# EAGLE board Mk4 Final Panel 8up 2x4 (EAGLE 9.0.1), part 10 of 23
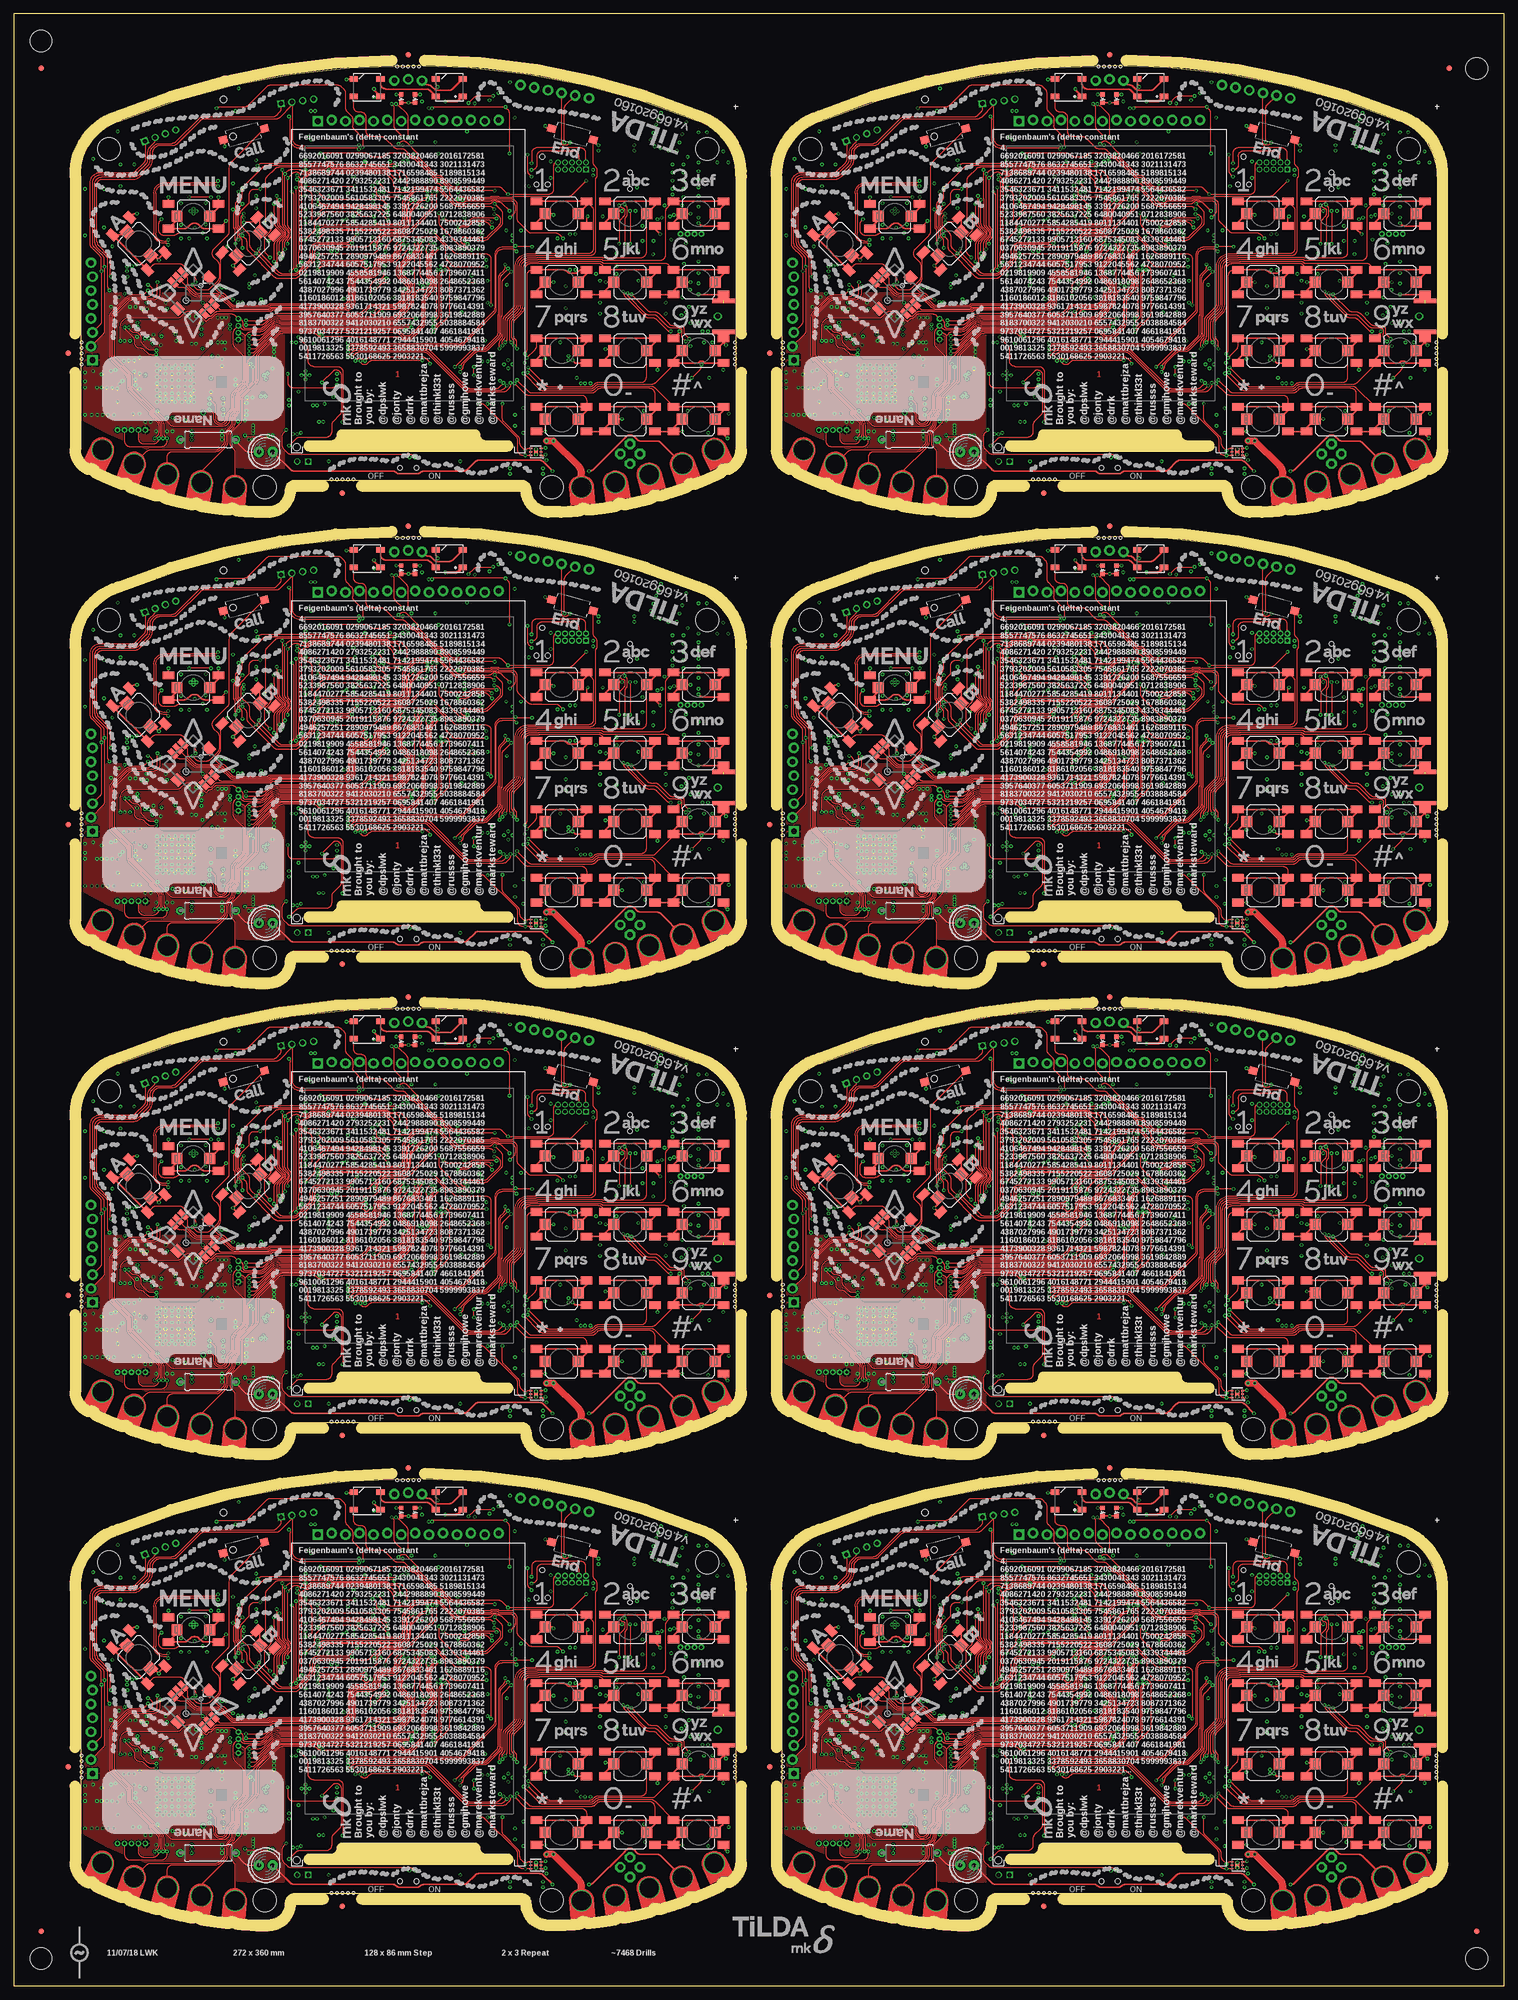
[diagram p0: board, top side]
## Tracks (layer width: path | path; a pad name or v marks a point on that pad's centre or on a via) (continued)
DCDC_PA_SW_N3 (continued)
  Bottom 0.25: IC65.41 157.75,126.29 arc-45 158.04,126.99 158.75,127.7
  Bottom 0.3: 158.75,127.7 158.75,127.76 159,128.01 159,130 159.1,130.1
  Bottom 0.5: 159.1,130.1 159.1,131.59 arc45 158.95,131.95 158.3,132.6 L35.1
DCDC_PA_SW_N4
  Bottom 0.25: IC83.41 29.75,212.29 arc-45 30.04,212.99 30.75,213.7
  Bottom 0.3: 30.75,213.7 30.75,213.76 31,214.01 31,216 31.1,216.1
  Bottom 0.5: 31.1,216.1 31.1,217.59 arc45 30.95,217.95 30.3,218.6 L44.1
DCDC_PA_SW_N5
  Bottom 0.25: IC101.41 157.75,212.29 arc-45 158.04,212.99 158.75,213.7
  Bottom 0.3: 158.75,213.7 158.75,213.76 159,214.01 159,216 159.1,216.1
  Bottom 0.5: 159.1,216.1 159.1,217.59 arc45 158.95,217.95 158.3,218.6 L53.1
DCDC_PA_SW_N6
  Bottom 0.25: IC119.41 29.75,298.29 arc-45 30.04,298.99 30.75,299.7
  Bottom 0.3: 30.75,299.7 30.75,299.76 31,300.01 31,302 31.1,302.1
  Bottom 0.5: 31.1,302.1 31.1,303.59 arc45 30.95,303.95 30.3,304.6 L62.1
DCDC_PA_SW_N7
  Bottom 0.25: IC137.41 157.75,298.29 arc-45 158.04,298.99 158.75,299.7
  Bottom 0.3: 158.75,299.7 158.75,299.76 159,300.01 159,302 159.1,302.1
  Bottom 0.5: 159.1,302.1 159.1,303.59 arc45 158.95,303.95 158.3,304.6 L71.1
DCDC_PA_SW_P
  Bottom 0.25: IC15.40 29.25,40.55 arc-45 29.54,41.26 30.25,41.97 30.45,42.17
  Bottom 0.4: L8.2 30.45,44.4 30.45,42.17
DCDC_PA_SW_P1
  Bottom 0.25: IC29.40 157.25,40.55 arc-45 157.54,41.26 158.45,42.17
  Bottom 0.4: L17.2 158.45,44.4 158.45,42.17
DCDC_PA_SW_P2
  Bottom 0.25: IC47.40 29.25,126.55 arc-45 29.54,127.26 30.45,128.17
  Bottom 0.4: L26.2 30.45,130.4 30.45,128.17
DCDC_PA_SW_P3
  Bottom 0.25: IC65.40 157.25,126.55 arc-45 157.54,127.26 158.45,128.17
  Bottom 0.4: L35.2 158.45,130.4 158.45,128.17
DCDC_PA_SW_P4
  Bottom 0.25: IC83.40 29.25,212.55 arc-45 29.54,213.26 30.45,214.17
  Bottom 0.4: L44.2 30.45,216.4 30.45,214.17
DCDC_PA_SW_P5
  Bottom 0.25: IC101.40 157.25,212.55 arc-45 157.54,213.26 158.45,214.17
  Bottom 0.4: L53.2 158.45,216.4 158.45,214.17
DCDC_PA_SW_P6
  Bottom 0.25: IC119.40 29.25,298.55 arc-45 29.54,299.26 30.45,300.17
  Bottom 0.4: L62.2 30.45,302.4 30.45,300.17
DCDC_PA_SW_P7
  Bottom 0.25: IC137.40 157.25,298.55 arc-45 157.54,299.26 158.45,300.17
  Bottom 0.4: L71.2 158.45,302.4 158.45,300.17
EN0RXI_N
  Bottom 0.22: IC1.53 63.41,66.8 63.4,66.81 61.1,66.81 arc-90 58.81,69.1 58.81,69.3 58.81,76.8 arc-90 62.2,80.19 68.3,80.19 arc90 69.22,81.1 69.22,81.6 JP7.6
EN0RXI_N1
  Bottom 0.22: IC20.53 191.42,66.8 191.4,66.81 189.1,66.81 arc-90 186.81,69.1 186.81,76.8 arc-90 190.2,80.19 196.3,80.19 arc90 197.22,81.1 197.22,81.6 JP12.6
EN0RXI_N2
  Bottom 0.22: IC38.53 63.41,152.8 63.4,152.81 61.1,152.81 arc-90 58.81,155.1 58.81,162.8 arc-90 62.2,166.19 68.3,166.19 arc90 69.22,167.1 69.22,167.6 JP21.6
EN0RXI_N3
  Bottom 0.22: IC56.53 191.42,152.8 191.4,152.81 189.1,152.81 arc-90 186.81,155.1 186.81,162.8 arc-90 190.2,166.19 196.3,166.19 arc90 197.22,167.1 197.22,167.6 JP30.6
EN0RXI_N4
  Bottom 0.22: IC74.53 63.41,238.8 63.4,238.81 61.1,238.81 arc-90 58.81,241.1 58.81,248.8 arc-90 62.2,252.19 68.3,252.19 arc90 69.22,253.1 69.22,253.6 JP39.6
EN0RXI_N5
  Bottom 0.22: IC92.53 191.42,238.8 191.4,238.81 189.1,238.81 arc-90 186.81,241.1 186.81,248.8 arc-90 190.2,252.19 196.3,252.19 arc90 197.22,253.1 197.22,253.6 JP48.6
EN0RXI_N6
  Bottom 0.22: IC110.53 63.41,324.8 63.4,324.81 61.1,324.81 arc-90 58.81,327.1 58.81,334.8 arc-90 62.2,338.19 68.3,338.19 arc90 69.22,339.1 69.22,339.6 JP57.6
EN0RXI_N7
  Bottom 0.22: IC128.53 191.42,324.8 191.4,324.81 189.1,324.81 arc-90 186.81,327.1 186.81,334.8 arc-90 190.2,338.19 196.3,338.19 arc90 197.22,339.1 197.22,339.6 JP66.6
EN0RXI_P
  Bottom 0.22: IC1.54 63.41,67.2 63.4,67.19 61.1,67.19 arc-90 59.19,69.1 59.19,69.28 59.19,69.3 59.19,76.8 arc-90 62.2,79.81 68.3,79.81 arc90 69.58,81.1 69.58,81.23 JP7.7
EN0RXI_P1
  Bottom 0.22: IC20.54 191.42,67.2 191.4,67.19 189.1,67.19 arc-90 187.19,69.1 187.19,76.8 arc-90 190.2,79.81 196.3,79.81 arc90 197.58,81.1 197.58,81.23 JP12.7
EN0RXI_P2
  Bottom 0.22: IC38.54 63.41,153.2 63.4,153.19 61.1,153.19 arc-90 59.19,155.1 59.19,162.8 arc-90 62.2,165.81 68.3,165.81 arc90 69.58,167.1 69.58,167.23 JP21.7
EN0RXI_P3
  Bottom 0.22: IC56.54 191.42,153.2 191.4,153.19 189.1,153.19 arc-90 187.19,155.1 187.19,162.8 arc-90 190.2,165.81 196.3,165.81 arc90 197.58,167.1 197.58,167.23 JP30.7
EN0RXI_P4
  Bottom 0.22: IC74.54 63.41,239.2 63.4,239.19 61.1,239.19 arc-90 59.19,241.1 59.19,248.8 arc-90 62.2,251.81 68.3,251.81 arc90 69.58,253.1 69.58,253.23 JP39.7
EN0RXI_P5
  Bottom 0.22: IC92.54 191.42,239.2 191.4,239.19 189.1,239.19 arc-90 187.19,241.1 187.19,248.8 arc-90 190.2,251.81 196.3,251.81 arc90 197.58,253.1 197.58,253.23 JP48.7
EN0RXI_P6
  Bottom 0.22: IC110.54 63.41,325.2 63.4,325.19 61.1,325.19 arc-90 59.19,327.1 59.19,334.8 arc-90 62.2,337.81 68.3,337.81 arc90 69.58,339.1 69.58,339.23 JP57.7
EN0RXI_P7
  Bottom 0.22: IC128.54 191.42,325.2 191.4,325.19 189.1,325.19 arc-90 187.19,327.1 187.19,334.8 arc-90 190.2,337.81 196.3,337.81 arc90 197.58,339.1 197.58,339.23 JP66.7
EN0TXO_N
  Bottom 0.22: IC1.56 63.41,68 63.4,68.02 61.25,68.02 arc-90 59.87,69.4 59.87,76.45 arc-90 62.6,79.19 68.61,79.19 arc45 69.32,79.48 70.53,80.69 arc-45 71.24,80.98 78.36,80.98 arc-45 79.07,80.69 80.03,79.73 arc45 80.74,79.44 83.15,79.44 arc90 84.52,80.8 84.52,81.54 JP7.12
EN0TXO_N1
  Bottom 0.22: IC20.56 191.42,68 191.4,68.02 189.25,68.02 arc-90 187.87,69.4 187.87,76.45 arc-90 190.6,79.19 196.61,79.19 arc45 197.32,79.48 198.53,80.69 arc-45 199.24,80.98 206.36,80.98 arc-45 207.07,80.69 208.03,79.73 arc45 208.74,79.44 211.15,79.44 arc90 212.51,80.8 212.51,81.54 JP12.12
EN0TXO_N2
  Bottom 0.22: IC38.56 63.41,154 63.4,154.01 61.25,154.01 arc-90 59.87,155.4 59.87,162.45 arc-90 62.6,165.19 68.61,165.19 arc45 69.32,165.48 70.53,166.69 arc-45 71.24,166.99 78.36,166.99 arc-45 79.07,166.69 80.03,165.73 arc45 80.74,165.44 83.15,165.44 arc90 84.52,166.8 84.52,167.54 JP21.12
EN0TXO_N3
  Bottom 0.22: IC56.56 191.42,154 191.4,154.01 189.25,154.01 arc-90 187.87,155.4 187.87,162.45 arc-90 190.6,165.19 196.61,165.19 arc45 197.32,165.48 198.53,166.69 arc-45 199.24,166.99 206.36,166.99 arc-45 207.07,166.69 208.03,165.73 arc45 208.74,165.44 211.15,165.44 arc90 212.51,166.8 212.51,167.54 JP30.12
EN0TXO_N4
  Bottom 0.22: IC74.56 63.41,240 63.4,240.01 61.25,240.01 arc-90 59.87,241.4 59.87,248.45 arc-90 62.6,251.19 68.61,251.19 arc45 69.32,251.48 70.53,252.69 arc-45 71.24,252.99 78.36,252.99 arc-45 79.07,252.69 80.03,251.73 arc45 80.74,251.44 83.15,251.44 arc90 84.52,252.8 84.52,253.54 JP39.12
EN0TXO_N5
  Bottom 0.22: IC92.56 191.42,240 191.4,240.01 189.25,240.01 arc-90 187.87,241.4 187.87,248.45 arc-90 190.6,251.19 196.61,251.19 arc45 197.32,251.48 198.53,252.69 arc-45 199.24,252.99 206.36,252.99 arc-45 207.07,252.69 208.03,251.73 arc45 208.74,251.44 211.15,251.44 arc90 212.51,252.8 212.51,253.54 JP48.12
EN0TXO_N6
  Bottom 0.22: IC110.56 63.41,326 63.4,326.01 61.25,326.01 arc-90 59.87,327.4 59.87,334.45 arc-90 62.6,337.19 68.61,337.19 arc45 69.32,337.48 70.53,338.69 arc-45 71.24,338.99 78.36,338.99 arc-45 79.07,338.69 80.03,337.73 arc45 80.74,337.44 83.15,337.44 arc90 84.52,338.8 84.52,339.54 JP57.12
EN0TXO_N7
  Bottom 0.22: IC128.56 191.42,326 191.4,326.01 189.25,326.01 arc-90 187.87,327.4 187.87,334.45 arc-90 190.6,337.19 196.61,337.19 arc45 197.32,337.48 198.53,338.69 arc-45 199.24,338.99 206.36,338.99 arc-45 207.07,338.69 208.03,337.73 arc45 208.74,337.44 211.15,337.44 arc90 212.51,338.8 212.51,339.54 JP66.12
EN0TXO_P
  Bottom 0.22: IC1.57 63.41,68.4 63.4,68.38 61.25,68.38 arc-90 60.23,69.4 60.23,69.9 60.23,70 60.23,70.08 60.23,76.45 arc-90 62.6,78.81 68.76,78.81 arc45 69.47,79.11 70.68,80.32 arc-45 71.39,80.61 78.21,80.61 arc-45 78.92,80.32 79.88,79.36 arc45 80.59,79.06 83.15,79.06 arc90 84.89,80.8 84.89,81.29 JP7.13
EN0TXO_P1
  Bottom 0.22: IC20.57 191.42,68.4 191.4,68.38 189.25,68.38 arc-90 188.24,69.4 188.24,76.45 arc-90 190.6,78.81 196.76,78.81 arc45 197.47,79.11 198.68,80.32 arc-45 199.39,80.61 206.21,80.61 arc-45 206.92,80.32 207.88,79.36 arc45 208.59,79.06 211.15,79.06 arc90 212.88,80.8 212.88,81.29 JP12.13
EN0TXO_P2
  Bottom 0.22: IC38.57 63.41,154.4 63.4,154.38 61.25,154.38 arc-90 60.23,155.4 60.23,162.45 arc-90 62.6,164.81 68.76,164.81 arc45 69.47,165.11 70.68,166.32 arc-45 71.39,166.62 78.21,166.62 arc-45 78.92,166.32 79.88,165.36 arc45 80.59,165.06 83.15,165.06 arc90 84.89,166.8 84.89,167.29 JP21.13
EN0TXO_P3
  Bottom 0.22: IC56.57 191.42,154.4 191.4,154.38 189.25,154.38 arc-90 188.24,155.4 188.24,162.45 arc-90 190.6,164.81 196.76,164.81 arc45 197.47,165.11 198.68,166.32 arc-45 199.39,166.62 206.21,166.62 arc-45 206.92,166.32 207.88,165.36 arc45 208.59,165.06 211.15,165.06 arc90 212.88,166.8 212.88,167.29 JP30.13
EN0TXO_P4
  Bottom 0.22: IC74.57 63.41,240.4 63.4,240.38 61.25,240.38 arc-90 60.23,241.4 60.23,248.45 arc-90 62.6,250.81 68.76,250.81 arc45 69.47,251.11 70.68,252.32 arc-45 71.39,252.62 78.21,252.62 arc-45 78.92,252.32 79.88,251.36 arc45 80.59,251.06 83.15,251.06 arc90 84.89,252.8 84.89,253.29 JP39.13
EN0TXO_P5
  Bottom 0.22: IC92.57 191.42,240.4 191.4,240.38 189.25,240.38 arc-90 188.24,241.4 188.24,248.45 arc-90 190.6,250.81 196.76,250.81 arc45 197.47,251.11 198.68,252.32 arc-45 199.39,252.62 206.21,252.62 arc-45 206.92,252.32 207.88,251.36 arc45 208.59,251.06 211.15,251.06 arc90 212.88,252.8 212.88,253.29 JP48.13
EN0TXO_P6
  Bottom 0.22: IC110.57 63.41,326.4 63.4,326.38 61.25,326.38 arc-90 60.23,327.4 60.23,334.45 arc-90 62.6,336.81 68.76,336.81 arc45 69.47,337.11 70.68,338.32 arc-45 71.39,338.62 78.21,338.62 arc-45 78.92,338.32 79.88,337.36 arc45 80.59,337.06 83.15,337.06 arc90 84.89,338.8 84.89,339.29 JP57.13
EN0TXO_P7
  Bottom 0.22: IC128.57 191.42,326.4 191.4,326.38 189.25,326.38 arc-90 188.24,327.4 188.24,334.45 arc-90 190.6,336.81 196.76,336.81 arc45 197.47,337.11 198.68,338.32 arc-45 199.39,338.62 206.21,338.62 arc-45 206.92,338.32 207.88,337.36 arc45 208.59,337.06 211.15,337.06 arc90 212.88,338.8 212.88,339.29 JP66.13
ETHLED0
  Bottom 0.15: R1.2 56.5,78.51 arc45 56.79,77.81 57.51,77.09 arc-45 57.8,76.39 57.8,73.94 57.89,73.85 arc-90 57.89,73.15 57.8,73.06 57.8,69.19 57.89,69.1 arc-90 57.89,68.4 57.8,68.31 57.8,66.11 arc45 58.09,65.41 58.61,64.89 arc-45 58.9,64.19 58.9,63.4 arc90 59.9,62.4 IC1.42
ETHLED0_R
  Bottom 0.15: R1.1 arc-90 57.5,81 59.09,81 arc45 59.79,81.29 60.57,82.07 JP7.3
ETHLED0_R1
  Bottom 0.15: R85.1 arc-90 185.5,81 187.09,81 arc45 187.79,81.29 188.57,82.07 JP12.3
ETHLED0_R2
  Bottom 0.15: R163.1 arc-90 57.5,167 59.09,167 arc45 59.79,167.29 60.57,168.07 JP21.3
ETHLED0_R3
  Bottom 0.15: R241.1 arc-90 185.5,167 187.09,167 arc45 187.79,167.29 188.57,168.07 JP30.3
ETHLED0_R4
  Bottom 0.15: R319.1 arc-90 57.5,253 59.09,253 arc45 59.79,253.29 60.57,254.07 JP39.3
ETHLED0_R5
  Bottom 0.15: R397.1 arc-90 185.5,253 187.09,253 arc45 187.79,253.29 188.57,254.07 JP48.3
ETHLED0_R6
  Bottom 0.15: R475.1 arc-90 57.5,339 59.09,339 arc45 59.79,339.29 60.57,340.07 JP57.3
ETHLED0_R7
  Bottom 0.15: R553.1 arc-90 185.5,339 187.09,339 arc45 187.79,339.29 188.57,340.07 JP66.3
ETHLED1
  Bottom 0.15: R2.2 57.5,78.01 arc45 57.79,77.31 57.81,77.29 arc-45 58.1,76.59 58.1,74.07 58.14,74.03 arc-90 58.14,72.97 58.1,72.93 58.1,69.32 58.14,69.28 arc-90 58.14,68.22 58.1,68.18 58.1,66.31 arc45 58.39,65.61 59.01,64.99 arc-45 59.3,64.29 59.3,63.8 arc90 60.3,62.8 IC1.43
ETHLED1_R
  Bottom 0.15: R2.1 57.5,80.2 arc-90 58,80.7 59.42,80.7 arc45 59.77,80.85 59.78,80.85 arc-45 60.13,81 64.09,81 arc45 64.79,81.29 65.65,82.15 JP7.5
ETHLED1_R1
  Bottom 0.15: R86.1 185.5,80.2 arc-90 186,80.7 187.42,80.7 arc45 187.77,80.85 187.78,80.85 arc-45 188.13,81 192.09,81 arc45 192.79,81.29 193.65,82.15 JP12.5
ETHLED1_R2
  Bottom 0.15: R164.1 57.5,166.2 arc-90 58,166.7 59.42,166.7 arc45 59.77,166.85 59.78,166.85 arc-45 60.13,167 64.09,167 arc45 64.79,167.29 65.65,168.15 JP21.5
ETHLED1_R3
  Bottom 0.15: R242.1 185.5,166.2 arc-90 186,166.7 187.42,166.7 arc45 187.77,166.85 187.78,166.85 arc-45 188.13,167 192.09,167 arc45 192.79,167.29 193.65,168.15 JP30.5
ETHLED1_R4
  Bottom 0.15: R320.1 57.5,252.2 arc-90 58,252.7 59.42,252.7 arc45 59.77,252.85 59.78,252.85 arc-45 60.13,253 64.09,253 arc45 64.79,253.29 65.65,254.15 JP39.5
ETHLED1_R5
  Bottom 0.15: R398.1 185.5,252.2 arc-90 186,252.7 187.42,252.7 arc45 187.77,252.85 187.78,252.85 arc-45 188.13,253 192.09,253 arc45 192.79,253.29 193.65,254.15 JP48.5
ETHLED1_R6
  Bottom 0.15: R476.1 57.5,338.2 arc-90 58,338.7 59.42,338.7 arc45 59.77,338.85 59.78,338.85 arc-45 60.13,339 64.09,339 arc45 64.79,339.29 65.65,340.15 JP57.5
ETHLED1_R7
  Bottom 0.15: R554.1 185.5,338.2 arc-90 186,338.7 187.42,338.7 arc45 187.77,338.85 187.78,338.85 arc-45 188.13,339 192.09,339 arc45 192.79,339.29 193.65,340.15 JP66.5
ETHLED2
  Bottom 0.15: R85.2 184.5,78.51 arc45 184.79,77.81 185.51,77.09 arc-45 185.8,76.39 185.8,73.94 185.89,73.85 arc-90 185.89,73.15 185.8,73.06 185.8,69.19 185.89,69.1 arc-90 185.89,68.4 185.8,68.31 185.8,66.11 arc45 186.09,65.41 186.61,64.89 arc-45 186.9,64.19 186.9,63.4 arc90 187.9,62.4 IC20.42
ETHLED3
  Bottom 0.15: R86.2 185.5,78.01 arc45 185.79,77.31 185.81,77.29 arc-45 186.1,76.59 186.1,74.07 186.14,74.03 arc-90 186.14,72.97 186.1,72.93 186.1,69.32 186.14,69.28 arc-90 186.14,68.22 186.1,68.18 186.1,66.31 arc45 186.39,65.61 187.01,64.99 arc-45 187.3,64.29 187.3,63.8 arc90 188.3,62.8 IC20.43
ETHLED4
  Bottom 0.15: R163.2 56.5,164.51 arc45 56.79,163.81 57.51,163.09 arc-45 57.8,162.39 57.8,159.94 57.89,159.85 arc-90 57.89,159.15 57.8,159.06 57.8,155.19 57.89,155.1 arc-90 57.89,154.4 57.8,154.31 57.8,152.11 arc45 58.09,151.41 58.61,150.89 arc-45 58.9,150.19 58.9,149.4 arc90 59.9,148.4 IC38.42
ETHLED5
  Bottom 0.15: R164.2 57.5,164.01 arc45 57.79,163.31 57.81,163.29 arc-45 58.1,162.59 58.1,160.07 58.14,160.03 arc-90 58.14,158.97 58.1,158.93 58.1,155.32 58.14,155.28 arc-90 58.14,154.22 58.1,154.18 58.1,152.31 arc45 58.39,151.61 59.01,150.99 arc-45 59.3,150.29 59.3,149.8 arc90 60.3,148.8 IC38.43
ETHLED6
  Bottom 0.15: R241.2 184.5,164.51 arc45 184.79,163.81 185.51,163.09 arc-45 185.8,162.39 185.8,159.94 185.89,159.85 arc-90 185.89,159.15 185.8,159.06 185.8,155.19 185.89,155.1 arc-90 185.89,154.4 185.8,154.31 185.8,152.11 arc45 186.09,151.41 186.61,150.89 arc-45 186.9,150.19 186.9,149.4 arc90 187.9,148.4 IC56.42
ETHLED7
  Bottom 0.15: R242.2 185.5,164.01 arc45 185.79,163.31 185.81,163.29 arc-45 186.1,162.59 186.1,160.07 186.14,160.03 arc-90 186.14,158.97 186.1,158.93 186.1,155.32 186.14,155.28 arc-90 186.14,154.22 186.1,154.18 186.1,152.31 arc45 186.39,151.61 187.01,150.99 arc-45 187.3,150.29 187.3,149.8 arc90 188.3,148.8 IC56.43
ETHLED8
  Bottom 0.15: R319.2 56.5,250.51 arc45 56.79,249.81 57.51,249.09 arc-45 57.8,248.39 57.8,245.94 57.89,245.85 arc-90 57.89,245.15 57.8,245.06 57.8,241.19 57.89,241.1 arc-90 57.89,240.4 57.8,240.31 57.8,238.11 arc45 58.09,237.41 58.61,236.89 arc-45 58.9,236.19 58.9,235.4 arc90 59.9,234.4 IC74.42
ETHLED9
  Bottom 0.15: R320.2 57.5,250.01 arc45 57.79,249.31 57.81,249.29 arc-45 58.1,248.59 58.1,246.07 58.14,246.03 arc-90 58.14,244.97 58.1,244.93 58.1,241.32 58.14,241.28 arc-90 58.14,240.22 58.1,240.18 58.1,238.31 arc45 58.39,237.61 59.01,236.99 arc-45 59.3,236.29 59.3,235.8 arc90 60.3,234.8 IC74.43
ETHLED10
  Bottom 0.15: R397.2 184.5,250.51 arc45 184.79,249.81 185.51,249.09 arc-45 185.8,248.39 185.8,245.94 185.89,245.85 arc-90 185.89,245.15 185.8,245.06 185.8,241.19 185.89,241.1 arc-90 185.89,240.4 185.8,240.31 185.8,238.11 arc45 186.09,237.41 186.61,236.89 arc-45 186.9,236.19 186.9,235.4 arc90 187.9,234.4 IC92.42
ETHLED11
  Bottom 0.15: R398.2 185.5,250.01 arc45 185.79,249.31 185.81,249.29 arc-45 186.1,248.59 186.1,246.07 186.14,246.03 arc-90 186.14,244.97 186.1,244.93 186.1,241.32 186.14,241.28 arc-90 186.14,240.22 186.1,240.18 186.1,238.31 arc45 186.39,237.61 187.01,236.99 arc-45 187.3,236.29 187.3,235.8 arc90 188.3,234.8 IC92.43
ETHLED12
  Bottom 0.15: R475.2 56.5,336.51 arc45 56.79,335.81 57.51,335.09 arc-45 57.8,334.39 57.8,331.94 57.89,331.85 arc-90 57.89,331.15 57.8,331.06 57.8,327.19 57.89,327.1 arc-90 57.89,326.4 57.8,326.31 57.8,324.11 arc45 58.09,323.41 58.61,322.89 arc-45 58.9,322.19 58.9,321.4 arc90 59.9,320.4 IC110.42
ETHLED13
  Bottom 0.15: R476.2 57.5,336.01 arc45 57.79,335.31 57.81,335.29 arc-45 58.1,334.59 58.1,332.07 58.14,332.03 arc-90 58.14,330.97 58.1,330.93 58.1,327.32 58.14,327.28 arc-90 58.14,326.22 58.1,326.18 58.1,324.31 arc45 58.39,323.61 59.01,322.99 arc-45 59.3,322.29 59.3,321.8 arc90 60.3,320.8 IC110.43
ETHLED14
  Bottom 0.15: R553.2 184.5,336.51 arc45 184.79,335.81 185.51,335.09 arc-45 185.8,334.39 185.8,331.94 185.89,331.85 arc-90 185.89,331.15 185.8,331.06 185.8,327.19 185.89,327.1 arc-90 185.89,326.4 185.8,326.31 185.8,324.11 arc45 186.09,323.41 186.61,322.89 arc-45 186.9,322.19 186.9,321.4 arc90 187.9,320.4 IC128.42
ETHLED15
  Bottom 0.15: R554.2 185.5,336.01 arc45 185.79,335.31 185.81,335.29 arc-45 186.1,334.59 186.1,332.07 186.14,332.03 arc-90 186.14,330.97 186.1,330.93 186.1,327.32 186.14,327.28 arc-90 186.14,326.22 186.1,326.18 186.1,324.31 arc45 186.39,323.61 187.01,322.99 arc-45 187.3,322.29 187.3,321.8 arc90 188.3,320.8 IC128.43
FET
  Bottom 0.15: IC1.110 80.78,66 arc45 80.85,66.03 81.09,66.27 arc-45 81.17,66.3 83.58,66.3 arc-90 85.58,64.3 85.58,62.38 arc45 85.72,62.02 85.88,61.86 arc-45 86.03,61.51 86.03,61.25 arc45 86.32,60.54 95.23,51.63 arc-45 95.5,50.98 95.5,50
  Bottom 0.2: R59.1 115.41,25.25 arc-45 114.71,25.54 106.79,33.46 arc45 106.09,33.75 101.11,33.75 arc-45 100.41,34.04 95.79,38.66 arc-45 95.5,39.36 95.5,50
  Bottom 0.3: Q2.1 116.92,25.25 R59.1
FET1
  Bottom 0.15: IC20.110 208.78,66 arc45 208.85,66.03 209.09,66.27 arc-45 209.17,66.3 211.57,66.3 arc-90 213.57,64.3 213.57,62.38 arc45 213.72,62.02 213.88,61.86 arc-45 214.03,61.51 214.03,61.25 arc45 214.32,60.54 223.23,51.63 arc-45 223.5,50.98 223.5,50
  Bottom 0.2: R137.1 243.41,25.25 arc-45 242.71,25.54 234.79,33.46 arc45 234.09,33.75 229.11,33.75 arc-45 228.41,34.04 223.79,38.66 arc-45 223.5,39.36 223.5,50
  Bottom 0.3: Q5.1 244.93,25.25 R137.1
FET2
  Bottom 0.15: IC38.110 80.78,152 arc45 80.85,152.03 81.09,152.27 arc-45 81.17,152.3 83.58,152.3 arc-90 85.58,150.3 85.58,148.38 arc45 85.72,148.02 85.88,147.86 arc-45 86.03,147.51 86.03,147.25 arc45 86.32,146.54 95.23,137.63 arc-45 95.5,136.98 95.5,136
  Bottom 0.2: R215.1 115.41,111.25 arc-45 114.71,111.54 106.79,119.46 arc45 106.09,119.75 101.11,119.75 arc-45 100.41,120.04 95.79,124.66 arc-45 95.5,125.36 95.5,136
  Bottom 0.3: Q10.1 116.92,111.25 R215.1
FET3
  Bottom 0.15: IC56.110 208.78,152 arc45 208.85,152.03 209.09,152.27 arc-45 209.17,152.3 211.57,152.3 arc-90 213.57,150.3 213.57,148.38 arc45 213.72,148.02 213.88,147.86 arc-45 214.03,147.51 214.03,147.25 arc45 214.32,146.54 223.23,137.63 arc-45 223.5,136.98 223.5,136
  Bottom 0.2: R293.1 243.41,111.25 arc-45 242.71,111.54 234.79,119.46 arc45 234.09,119.75 229.11,119.75 arc-45 228.41,120.04 223.79,124.66 arc-45 223.5,125.36 223.5,136
  Bottom 0.3: Q14.1 244.93,111.25 R293.1
FET4
  Bottom 0.15: IC74.110 80.78,238 arc45 80.85,238.03 81.09,238.27 arc-45 81.17,238.3 83.58,238.3 arc-90 85.58,236.3 85.58,234.38 arc45 85.72,234.02 85.88,233.86 arc-45 86.03,233.51 86.03,233.25 arc45 86.32,232.54 95.23,223.63 arc-45 95.5,222.98 95.5,222
  Bottom 0.2: R371.1 115.41,197.25 arc-45 114.71,197.54 106.79,205.46 arc45 106.09,205.75 101.11,205.75 arc-45 100.41,206.04 95.79,210.66 arc-45 95.5,211.36 95.5,222
  Bottom 0.3: Q18.1 116.92,197.25 R371.1
FET5
  Bottom 0.15: IC92.110 208.78,238 arc45 208.85,238.03 209.09,238.27 arc-45 209.17,238.3 211.57,238.3 arc-90 213.57,236.3 213.57,234.38 arc45 213.72,234.02 213.88,233.86 arc-45 214.03,233.51 214.03,233.25 arc45 214.32,232.54 223.23,223.63 arc-45 223.5,222.98 223.5,222
  Bottom 0.2: R449.1 243.41,197.25 arc-45 242.71,197.54 234.79,205.46 arc45 234.09,205.75 229.11,205.75 arc-45 228.41,206.04 223.79,210.66 arc-45 223.5,211.36 223.5,222
  Bottom 0.3: Q22.1 244.93,197.25 R449.1
FET6
  Bottom 0.15: IC110.110 80.78,324 arc45 80.85,324.03 81.09,324.27 arc-45 81.17,324.3 83.58,324.3 arc-90 85.58,322.3 85.58,320.38 arc45 85.72,320.02 85.88,319.86 arc-45 86.03,319.51 86.03,319.25 arc45 86.32,318.54 95.23,309.63 arc-45 95.5,308.98 95.5,308
  Bottom 0.2: R527.1 115.41,283.25 arc-45 114.71,283.54 106.79,291.46 arc45 106.09,291.75 101.11,291.75 arc-45 100.41,292.04 95.79,296.66 arc-45 95.5,297.36 95.5,308
  Bottom 0.3: Q26.1 116.92,283.25 R527.1
FET7
  Bottom 0.15: IC128.110 208.78,324 arc45 208.85,324.03 209.09,324.27 arc-45 209.17,324.3 211.57,324.3 arc-90 213.57,322.3 213.57,320.38 arc45 213.72,320.02 213.88,319.86 arc-45 214.03,319.51 214.03,319.25 arc45 214.32,318.54 223.23,309.63 arc-45 223.5,308.98 223.5,308
  Bottom 0.2: R605.1 243.41,283.25 arc-45 242.71,283.54 234.79,291.46 arc45 234.09,291.75 229.11,291.75 arc-45 228.41,292.04 223.79,296.66 arc-45 223.5,297.36 223.5,308
  Bottom 0.3: Q30.1 244.93,283.25 R605.1
FET_OUT  (via drill 0.3)
  Top 0.25: LED5.K 50.45,18.82 arc45 51.16,18.52 69.11,18.52 arc-45 69.81,18.23 arc45 70.37,18 73.66,18 arc45 74.16,18.21 arc-45 74.87,18.5 82.09,18.5 arc45 82.79,18.79 84.21,20.21 arc-45 84.91,20.5 95.94,20.5 arc-45 96.64,20.21 v98.35,18.5 | v105,18.5 105.09,18.5 arc45 105.79,18.79 111.5,24.5 111.71,24.71 111.79,24.79 arc-90 113.21,24.79 113.71,24.29 arc45 114.41,24 117.4,24 arc-45 118.11,23.71 PCB.FET
  Bottom 0.25: v98.35,18.5 v105,18.5
  Bottom 0.4: Q2.3 118.92,23.3 arc45 119.22,22.59 120.91,20.91
  Bottom 0.5: 120.91,20.91 PCB.FET
FET_OUT1  (via drill 0.3)
  Top 0.25: LED11.K 178.45,18.82 arc45 179.16,18.52 197.11,18.52 arc-45 197.81,18.23 arc45 198.37,18 201.66,18 arc45 202.16,18.21 arc-45 202.87,18.5 210.09,18.5 arc45 210.79,18.79 212.21,20.21 arc-45 212.91,20.5 223.94,20.5 arc-45 224.64,20.21 v226.35,18.5 | v233,18.5 233.09,18.5 arc45 233.79,18.79 239.79,24.79 arc-90 241.21,24.79 241.71,24.29 arc45 242.41,24 245.4,24 arc-45 246.11,23.71 PCB1.FET
  Bottom 0.25: v226.35,18.5 v233,18.5
  Bottom 0.4: Q5.3 246.93,23.3 arc45 247.22,22.59 248.91,20.91
  Bottom 0.5: 248.91,20.91 PCB1.FET
FET_OUT2  (via drill 0.3)
  Top 0.25: LED17.K 50.45,104.82 arc45 51.16,104.53 69.11,104.53 arc-45 69.81,104.23 arc45 70.37,104 73.66,104 arc45 74.16,104.21 arc-45 74.87,104.5 82.09,104.5 arc45 82.79,104.79 84.21,106.21 arc-45 84.91,106.5 95.94,106.5 arc-45 96.64,106.21 v98.35,104.5 | v105,104.5 105.09,104.5 arc45 105.79,104.79 111.79,110.79 arc-90 113.21,110.79 113.71,110.29 arc45 114.41,110 117.4,110 arc-45 118.11,109.71 PCB2.FET
  Bottom 0.25: v98.35,104.5 v105,104.5
  Bottom 0.4: Q10.3 118.92,109.3 arc45 119.22,108.59 120.91,106.91
  Bottom 0.5: 120.91,106.91 PCB2.FET
FET_OUT3  (via drill 0.3)
  Top 0.25: LED23.K 178.45,104.82 arc45 179.16,104.53 197.11,104.53 arc-45 197.81,104.23 arc45 198.37,104 201.66,104 arc45 202.16,104.21 arc-45 202.87,104.5 210.09,104.5 arc45 210.79,104.79 212.21,106.21 arc-45 212.91,106.5 223.94,106.5 arc-45 224.64,106.21 v226.35,104.5 | v233,104.5 233.09,104.5 arc45 233.79,104.79 239.79,110.79 arc-90 241.21,110.79 241.71,110.29 arc45 242.41,110 245.4,110 arc-45 246.11,109.71 PCB3.FET
  Bottom 0.25: v226.35,104.5 v233,104.5
  Bottom 0.4: Q14.3 246.93,109.3 arc45 247.22,108.59 248.91,106.91
  Bottom 0.5: 248.91,106.91 PCB3.FET
FET_OUT4  (via drill 0.3)
  Top 0.25: LED29.K 50.45,190.82 arc45 51.16,190.53 69.11,190.53 arc-45 69.81,190.23 arc45 70.37,190 73.66,190 arc45 74.16,190.21 arc-45 74.87,190.5 82.09,190.5 arc45 82.79,190.79 84.21,192.21 arc-45 84.91,192.5 95.94,192.5 arc-45 96.64,192.21 v98.35,190.5 | v105,190.5 105.09,190.5 arc45 105.79,190.79 111.79,196.79 arc-90 113.21,196.79 113.71,196.29 arc45 114.41,196 117.4,196 arc-45 118.11,195.71 PCB4.FET
  Bottom 0.25: v98.35,190.5 v105,190.5
  Bottom 0.4: Q18.3 118.92,195.3 arc45 119.22,194.59 120.91,192.91
  Bottom 0.5: 120.91,192.91 PCB4.FET
FET_OUT5  (via drill 0.3)
  Top 0.25: LED35.K 178.45,190.82 arc45 179.16,190.53 197.11,190.53 arc-45 197.81,190.23 arc45 198.37,190 201.66,190 arc45 202.16,190.21 arc-45 202.87,190.5 210.09,190.5 arc45 210.79,190.79 212.21,192.21 arc-45 212.91,192.5 223.94,192.5 arc-45 224.64,192.21 v226.35,190.5 | v233,190.5 233.09,190.5 arc45 233.79,190.79 239.79,196.79 arc-90 241.21,196.79 241.71,196.29 arc45 242.41,196 245.4,196 arc-45 246.11,195.71 PCB5.FET
  Bottom 0.25: v226.35,190.5 v233,190.5
  Bottom 0.4: Q22.3 246.93,195.3 arc45 247.22,194.59 248.91,192.91
  Bottom 0.5: 248.91,192.91 PCB5.FET
FET_OUT6  (via drill 0.3)
  Top 0.25: LED41.K 50.45,276.82 arc45 51.16,276.52 69.11,276.52 arc-45 69.81,276.23 arc45 70.37,276 73.66,276 arc45 74.16,276.21 arc-45 74.87,276.5 82.09,276.5 arc45 82.79,276.79 84.21,278.21 arc-45 84.91,278.5 95.94,278.5 arc-45 96.64,278.21 v98.35,276.5 | v105,276.5 105.09,276.5 arc45 105.79,276.79 111.79,282.79 arc-90 113.21,282.79 113.71,282.29 arc45 114.41,282 117.4,282 arc-45 118.11,281.71 PCB6.FET
  Bottom 0.25: v98.35,276.5 v105,276.5
  Bottom 0.4: Q26.3 118.92,281.3 arc45 119.22,280.6 120.91,278.91